# Altium PCB waffling80-MX-north.PcbDoc (part 1 of 3) (continued)
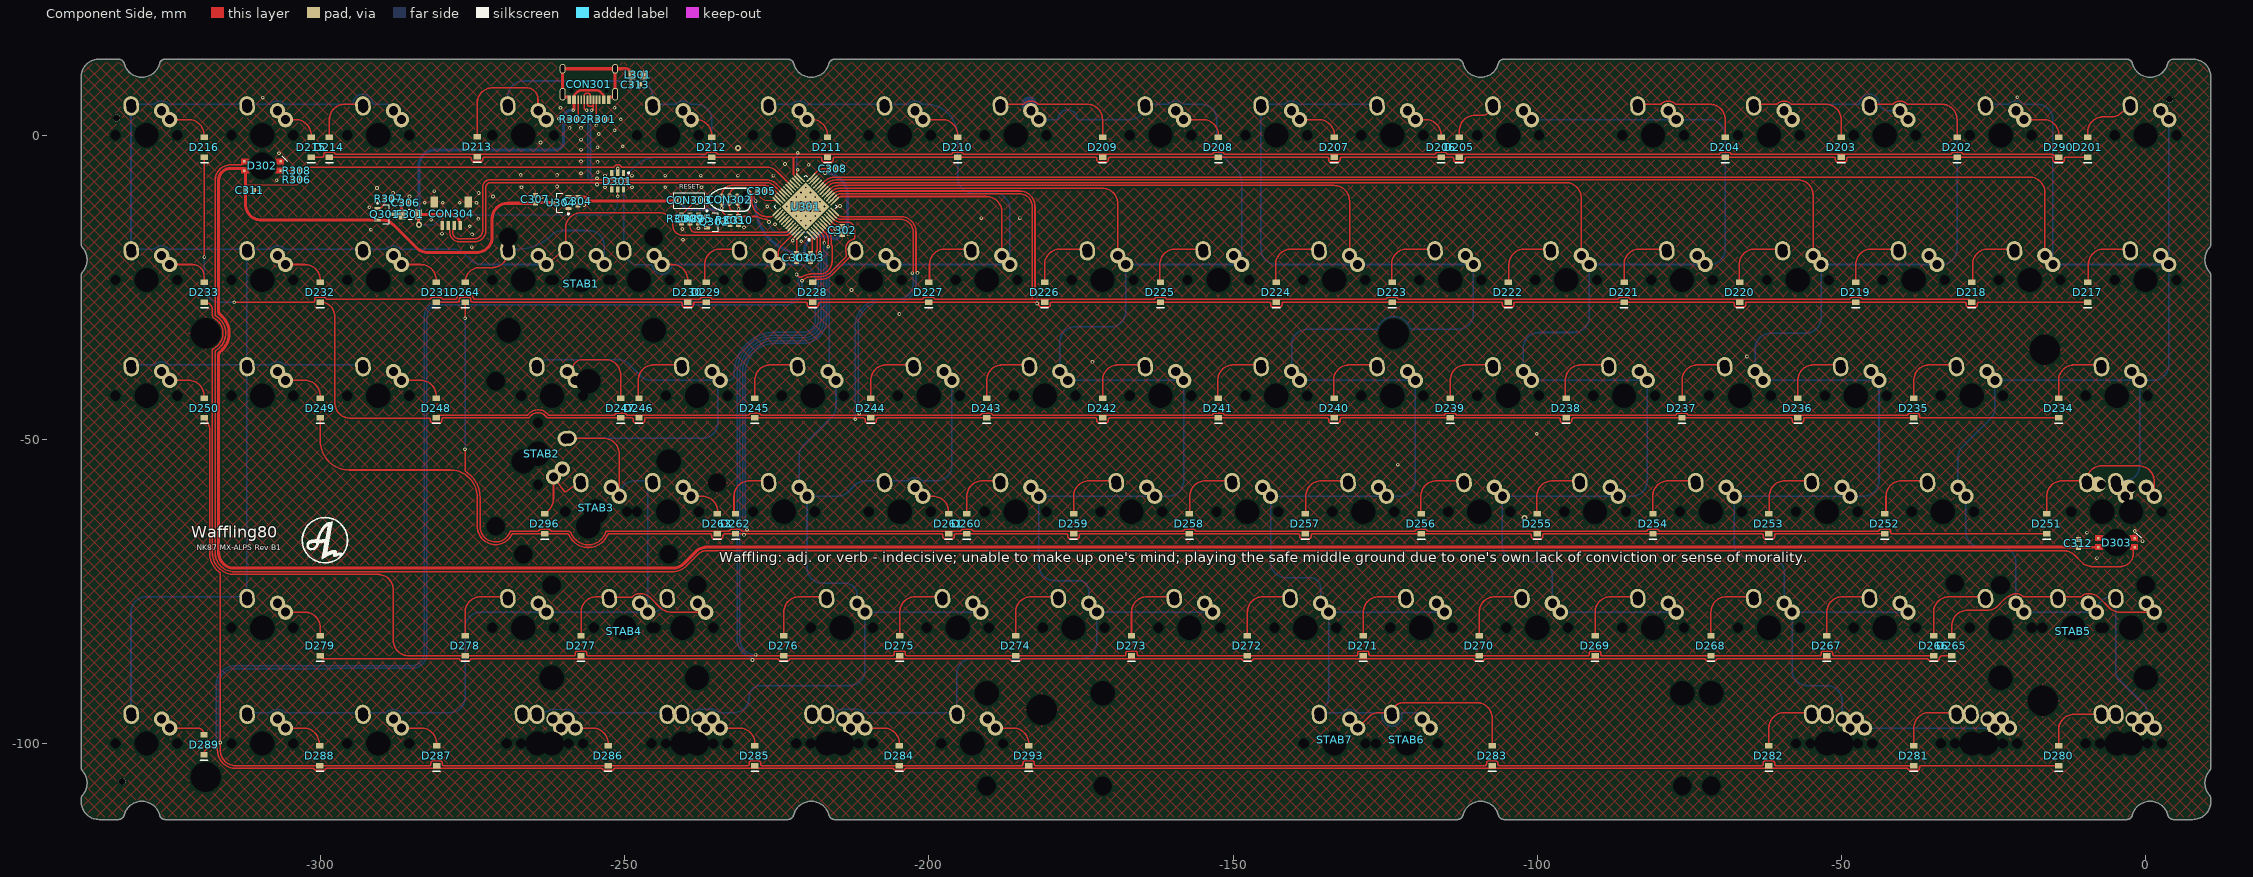
[diagram p0: Component Side view]
## Components (designator, comment, footprint, x,y, rotation, side; value= is the part's Value field where it differs from the comment) (continued)
S258 "MX" "MX_ALPS-switch switched pol" -147.637,-61.912 r180 bottom locked
S259 "MX" "MX_ALPS-switch switched pol" -166.688,-61.912 r180 bottom locked
S260 "MX" "MX_ALPS-switch switched pol" -185.737,-61.912 r180 bottom locked
S261 "MX" MX_ALPS-switch -204.787,-61.912 r180 bottom locked
S262 "MX" "MX_ALPS-switch switched pol" -223.837,-61.912 r180 bottom locked
S263 "MX" MX_ALPS-switch -242.887,-61.912 r180 bottom locked
S264 "MX" "MX_ALPS-switch switched pol" -257.175,-23.812 r180 bottom locked
S264_1 "MX" MX_ALPS-switch -266.7,-23.812 r180 bottom locked
S265 "MX" "MX_ALPS-switch switched pol" -11.906,-80.962 r180 bottom locked
S265_1 "MX" MX_ALPS-switch -2.381,-80.962 r180 bottom locked
S266 "MX" "MX_ALPS-switch switched pol" -23.81,-80.962 r180 bottom locked
S267 "MX" "MX_ALPS-switch switched pol" -42.862,-80.962 r180 bottom locked
S268 "MX" "MX_ALPS-switch switched pol" -61.912,-80.962 r180 bottom locked
S269 "MX" "MX_ALPS-switch switched pol" -80.962,-80.962 r180 bottom locked
S270 "MX" "MX_ALPS-switch switched pol" -100.012,-80.962 r180 bottom locked
S271 "MX" "MX_ALPS-switch switched pol" -119.062,-80.962 r180 bottom locked
S272 "MX" "MX_ALPS-switch switched pol" -138.112,-80.962 r180 bottom locked
S273 "MX" "MX_ALPS-switch switched pol" -157.162,-80.962 r180 bottom locked
S274 "MX" "MX_ALPS-switch switched pol" -176.212,-80.962 r180 bottom locked
S275 "MX" "MX_ALPS-switch switched pol" -195.262,-80.962 r180 bottom locked
S276 "MX" "MX_ALPS-switch switched pol" -214.312,-80.962 r180 bottom locked
S277 "MX" "MX_ALPS-switch switched pol" -250.031,-80.962 r180 bottom locked
S277_1 "MX" MX_ALPS-switch -240.506,-80.962 r180 bottom locked
S278 "MX" "MX_ALPS-switch switched pol" -266.7,-80.962 r180 bottom locked
S279 "MX" MX_ALPS-switch -309.562,-80.962 r180 bottom locked
S280 "MX" "mx_alps- 1.5u MOD-L" -4.763,-100.012 r180 bottom locked
S281 "MX" "mx_alps - 1u MOD-L" -28.574,-100.012 r180 bottom locked
S282 "MX" "mx_alps- 1.5u MOD-L" -52.387,-100.012 r180 bottom locked
S283_1 "MX" MX_ALPS-switch -133.318,-100.012 r180 bottom locked
S283_2 "MX" "MX_ALPS-switch switched pol" -121.411,-100.012 r180 bottom locked
S284 "MX" "mx_alps - 1.5u MOD-R" -214.312,-100.012 r180 bottom locked
S285 "MX" "mx_alps - 1u MOD-R" -238.124,-100.012 r180 bottom locked
S286 "MX" "mx_alps - 1.5u MOD-R" -261.937,-100.012 r180 bottom locked
S287 "MX" MX_ALPS-switch -290.512,-100.012 r180 bottom locked
S288 "MX" MX_ALPS-switch -309.562,-100.012 r180 bottom locked
S289 "MX" MX_ALPS-switch -328.612,-100.012 r180 bottom locked
S290 "MX" MX_ALPS-switch -23.812,0 r180 bottom locked
S293 "MX" MX_ALPS-switch -192.881,-100.012 r180 bottom locked
S296 "MX" "MX_ALPS-switch switched pol" -254.711,-61.912 r180 bottom locked
S296_1 "MX" mx_alps-switch -264.241,-52.382 r90 bottom locked
STAB1 "Plug" "Stab 2u" -257.175,-23.812 r0 top locked
STAB2 "Plug" "Stab 2u" -264.241,-52.382 r90 top locked
STAB3 "Plug" "Stab 2u" -254.711,-61.912 r180 top locked
STAB4 "Plug" "Stab 2u" -250.031,-80.962 r0 top locked
STAB5 "Plug" "Stab 2u" -11.906,-80.962 r0 top locked
STAB6 "Plug" "Stab 6.25U" -121.411,-100.012 r180 top locked
STAB7 "Plug" "Stab 7U" -133.318,-100.012 r180 top locked
U301 "STM32F072/F303_LQFP48" "STM32 - COMBO 7X7MM" -220.244,-11.75 r135 top
U304 "XC6206P332MR" SOT-23-3 -260.468,-11.112 r180 top

## Footprints (in the part's own frame and the unit in brackets; to place one, negate y for a bottom-side part, rotate by r counter-clockwise, add the part's x,y. Pads: shape width x height; smd on the part's side, far side on the other; paste and mask are expansions set on the pad)
"ALPS-switch - 1.5U" [mm]
  round 2.54 hole 1.5 copper offset 0.54,0 mask+0.102: 1(-2.5,4) 2(2.5,4.5)
  round 1 on Mech14: ""(0,0)
C0603[1608] [mm] "Chip Resistor, 2-Leads, Body 1,57x0,80mm, IPC Medium Density"
  rect 0.8x0.85 smd: 1(-0.65,0) 2(0.65,0)
  body extent -0.83,-0.43 0.82,0.43, height 0.5
C1206[3216] [mm]
  rect 1.2x1.8 smd: 1(-1.35,0) 2(1.35,0)
  silkscreen extent -0.35,-0.8 0.35,0.8, body extent -1.6,-0.9 1.6,0.9, height 1.2
HDR1X2 [mm] "Connector; Header; 2 Position"
  round 1.5 hole 0.9 mask+0.102: 1(0,0) 2(2.54,0)
  silkscreen extent -1.27,-1.27 3.81,1.27
"JST SM04B-SRSS-TB" [mm]
  rect 0.6x1.55 smd: 1(-1.5,3.875) 2(-0.5,3.875) 3(0.5,3.875) 4(1.5,3.875)
  rect 1.2x1.8 smd: 5(-2.8,0) 5(2.8,0)
  body extent -3.01,-0.76 2.99,4.19, height 3.25
L0805 [mm] "based on Sunlord-GZ2012D101TF_C1015 datasheet"
  rect 1.16x1.47 smd: 1(-0.92,0) 2(0.92,0)
  body extent -1.15,-0.72 1.15,0.72, height 1.02
"mx_alps - 1.5U" [mm]
  round 2.54 hole 1.5 mask+0.102: 1(-3.81,2.54) 1(-2.5,4)
  oval 3.2x2.54 hole 1.6 slot 2.2 at 85 deg rot 85 mask+0.102: 2(2.5,4.79)
  round 1 hole 1.7 unplated: ""(-5.08,0) ""(5.08,0)
  round 1 hole 4 unplated: ""(0,0)
  round 1 on Mech14: ""(0,0)
"mx_alps - 1.5u MOD-R" [mm]
  round 2.54 hole 1.5 mask+0.102: 1(-3.81,2.54) 1(-2.5,4) 1(-1.429,2.54)
  round 2.54 hole 1.5 copper offset -0.2,0 mask+0.102: 1(-0.119,4)
  oval 3.2x2.54 hole 1.6 slot 2.2 at 85 deg rot 85 mask+0.102: 2(2.5,4.79) 2(4.881,4.79)
  round 1 hole 1.7 unplated: ""(-5.08,0) ""(-2.699,0) ""(5.08,0) ""(7.461,0)
  round 1 on Mech14: ""(-2.381,0) ""(0,0) ""(2.381,0) ""(4.763,0)
  round 1 hole 4 unplated: ""(0,0) ""(0,0) ""(2.381,0) ""(2.381,0)
"mx_alps - 1u MOD-L" [mm]
  round 2.54 hole 1.5 mask+0.102: 1(-6.191,2.54) 1(-4.881,4) 1(-3.81,2.54)
  round 2.54 hole 1.5 copper offset -0.2,0 mask+0.102: 1(-2.5,4)
  oval 3.2x2.54 hole 1.6 slot 2.2 at 85 deg rot 85 mask+0.102: 2(0.119,4.79) 2(2.5,4.79)
  round 1 hole 1.7 unplated: ""(-7.461,0) ""(-5.08,0) ""(2.699,0) ""(5.08,0)
  round 1 hole 4 unplated: ""(-2.381,0) ""(0,0)
  round 1 on Mech14: ""(-2.381,0) ""(0,0) ""(2.381,0)
"mx_alps - 1u MOD-R" [mm]
  round 2.54 hole 1.5 mask+0.102: 1(-3.81,2.54) 1(-2.5,4) 1(-1.429,2.54)
  round 2.54 hole 1.5 copper offset -0.2,0 mask+0.102: 1(-0.119,4)
  oval 3.2x2.54 hole 1.6 slot 2.2 at 85 deg rot 85 mask+0.102: 2(2.5,4.79) 2(4.881,4.79)
  round 1 hole 1.7 unplated: ""(-5.08,0) ""(-2.699,0) ""(5.08,0) ""(7.461,0)
  round 1 on Mech14: ""(-4.763,0) ""(-2.381,0) ""(0,0) ""(2.381,0)
  round 1 hole 4 unplated: ""(0,0) ""(2.381,0)
"mx_alps - CAPS" [mm]
  round 2.54 hole 1.5 mask+0.102: 1(-8.572,2.54) 1(-7.263,4) 2(-3.81,2.54) 2(-2.5,4)
  oval 3.2x2.54 hole 1.6 slot 2.2 at 85 deg rot 85 mask+0.102: 1(2.5,4.79) 2(-2.262,4.79)
  round 1 hole 1.7 unplated: ""(-9.842,0) ""(5.08,0)
  round 1 hole 4 unplated: ""(-4.763,0) ""(0,0)
  round 1 on Mech14: ""(-4.763,0) ""(0,0)
"mx_alps- 1.5u MOD-L" [mm]
  round 2.54 hole 1.5 mask+0.102: 1(-6.191,2.54) 1(-4.881,4) 1(-3.81,2.54)
  round 2.54 hole 1.5 copper offset -0.2,0 mask+0.102: 1(-2.5,4)
  oval 3.2x2.54 hole 1.6 slot 2.2 at 85 deg rot 85 mask+0.102: 2(0.119,4.79) 2(2.5,4.79)
  round 1 hole 1.7 unplated: ""(-7.461,0) ""(-5.08,0) ""(2.699,0) ""(5.08,0)
  round 1 on Mech14: ""(-4.763,0) ""(-2.381,0) ""(0,0) ""(4.763,0)
  round 1 hole 4 unplated: ""(-2.381,0) ""(0,0)
MX_ALPS-switch [mm]
  round 2.54 hole 1.5 mask+0.102: 1(-3.81,2.54) 1(-2.5,4)
  oval 3.2x2.54 hole 1.6 slot 2.2 at 85 deg rot 85 mask+0.102: 2(2.5,4.79)
  round 1 hole 1.7 unplated: ""(-5.08,0) ""(5.08,0)
  round 1 hole 4 unplated: ""(0,0)
mx_alps-switch [mm]
  round 2.54 hole 1.5 mask+0.102: 1(-3.81,2.54) 1(-2.5,4)
  oval 3.2x2.54 hole 1.6 slot 2.2 at 85 deg rot 85 mask+0.102: 2(2.5,4.79)
  round 1 hole 1.7 unplated: ""(-5.08,0) ""(5.08,0)
  round 1 hole 4 unplated: ""(0,0)
"MX_ALPS-switch switched pol" [mm]
  oval 3.2x2.54 hole 1.6 slot 2.2 at 85 deg rot 85 mask+0.102: 1(2.5,4.79)
  round 2.54 hole 1.5 mask+0.102: 2(-3.81,2.54) 2(-2.5,4)
  round 1 hole 1.7 unplated: ""(-5.08,0) ""(5.08,0)
  round 1 hole 4 unplated: ""(0,0)
R0603[1608] [mm] "Chip Resistor, 2-Leads, Body 1,57x0,80mm, IPC Medium Density"
  rect 0.8x0.85 smd: 1(-0.65,0) 2(0.65,0)
  body extent -0.83,-0.43 0.82,0.43, height 0.5
"SK6812MINI-E - shaped" [mm]
  rect 0.4x0.4 smd: 1(3,0.75) 2(3,-0.75) 3(-3,-0.75) 4(-3,0.75)
  round 1 hole 4.4 unplated: ""(0,0)
  Component Side region: -3.5,0.304 -3.5,1.195 -2.157,1.195 -2.345,0.764 -2.447,0.304 -2.447,0.304 -2.449,0.304
  Component Side region: 2.447,0.304 2.345,0.764 2.157,1.195 2.157,1.195 3.5,1.195 3.5,0.304
  Component Side region: 2.157,-1.195 3.5,-1.195 3.5,-0.304 2.449,-0.304 2.447,-0.304 2.345,-0.764 2.157,-1.195
  Component Side region: -3.25,-1.195 -3.5,-0.945 -3.5,-0.304 -2.449,-0.304 -2.447,-0.304 -2.345,-0.764 -2.157,-1.195 -2.157,-1.195
  silkscreen extent -4.06,-1.65 -3.17,-0.76, body extent -2.94,-1.4 2.94,1.4, height 0.94
SOD-123 [mm]
  rect 0.91x1.22 smd: 1(1.635,0) 2(-1.635,0)
  silkscreen extent -2.54,-0.64 -2.54,0.63, body extent -1.87,-0.85 1.88,0.85, height 1.2
SOT-23-3 [mm] "3.3v regulator, used in Windsond S2 proto 1"
  rect 1x0.55 smd: 1(-1.2,0.95) 2(-1.2,-0.95) 3(1.2,0)
  silkscreen extent -1.32,-1.55 0.7,1.95, body extent -1.45,-1.5 1.1,1.5, height 1
SOT-23-6 [mm]
  rect 1x0.55 smd: 1(-1.375,0.95) 2(-1.375,0) 3(-1.375,-0.95) 4(1.375,-0.95) 5(1.375,0) 6(1.375,0.95)
  silkscreen extent -1.5,-1.55 0.46,1.93, body extent -1.37,-1.44 1.47,1.49, height 1.05
"Stab 2u" [mil]
  round 60 hole 157.01 unplated: ""(-470,-325) ""(470,-325)
  round 60 hole 120 unplated: ""(-470,275) ""(470,275)
  round 39.37 on Mech13: ""(0,0) ""(0,0)
"Stab 6.25U" [mil]
  round 60 hole 157.01 unplated: ""(-1968.5,-325) ""(1968.5,-325)
  round 60 hole 120 unplated: ""(-1968.5,275) ""(1968.5,275)
  round 39.37 on Mech13: ""(0,0)
"Stab 7U" [mil]
  round 60 hole 157.01 unplated: ""(-2250,-325) ""(2250,-325)
  round 60 hole 120 unplated: ""(-2250,275) ""(2250,275)
  round 39.37 on Mech13: ""(0,0)
"STM32 - COMBO 7X7MM" [mm] "LQFP48, 7x7mm"
  oval 1.45x0.3 smd paste-5: 1(-4.225,2.75) 2(-4.225,2.25) 3(-4.225,1.75) 4(-4.225,1.25) 5(-4.225,0.75) 6(-4.225,0.25) 7(-4.225,-0.25) 8(-4.225,-0.75) 9(-4.225,-1.25) 10(-4.225,-1.75) 11(-4.225,-2.25) 12(-4.225,-2.75) 25(4.225,-2.75) 26(4.225,-2.25) 27(4.225,-1.75) 28(4.225,-1.25) 29(4.225,-0.75) 30(4.225,-0.25) 31(4.225,0.25) 32(4.225,0.75) 33(4.225,1.25) 34(4.225,1.75) 35(4.225,2.25) 36(4.225,2.75)
  oval 0.8x0.25 smd: 1(-3.4,2.75) 2(-3.4,2.25) 3(-3.4,1.75) 4(-3.4,1.25) 5(-3.4,0.75) 6(-3.4,0.25) 7(-3.4,-0.25) 8(-3.4,-0.75) 9(-3.4,-1.25) 10(-3.4,-1.75) 11(-3.4,-2.25) 12(-3.4,-2.75) 25(3.4,-2.75) 26(3.4,-2.25) 27(3.4,-1.75) 28(3.4,-1.25) 29(3.4,-0.75) 30(3.4,-0.25) 31(3.4,0.25) 32(3.4,0.75) 33(3.4,1.25) 34(3.4,1.75) 35(3.4,2.25) 36(3.4,2.75)
  oval 0.25x0.8 smd: 13(-2.75,-3.4) 14(-2.25,-3.4) 15(-1.75,-3.4) 16(-1.25,-3.4) 17(-0.75,-3.4) 18(-0.25,-3.4) 19(0.25,-3.4) 20(0.75,-3.4) 21(1.25,-3.4) 22(1.75,-3.4) 23(2.25,-3.4) 24(2.75,-3.4) 37(2.75,3.4) 38(2.25,3.4) 39(1.75,3.4) 40(1.25,3.4) 41(0.75,3.4) 42(0.25,3.4) 43(-0.25,3.4) 44(-0.75,3.4) 45(-1.25,3.4) 46(-1.75,3.4) 47(-2.25,3.4) 48(-2.75,3.4)
  oval 0.3x1.45 smd paste-5: 13(-2.75,-4.225) 14(-2.25,-4.225) 15(-1.75,-4.225) 16(-1.25,-4.225) 17(-0.75,-4.225) 18(-0.25,-4.225) 19(0.25,-4.225) 20(0.75,-4.225) 21(1.25,-4.225) 22(1.75,-4.225) 23(2.25,-4.225) 24(2.75,-4.225) 37(2.75,4.225) 38(2.25,4.225) 39(1.75,4.225) 40(1.25,4.225) 41(0.75,4.225) 42(0.25,4.225) 43(-0.25,4.225) 44(-0.75,4.225) 45(-1.25,4.225) 46(-1.75,4.225) 47(-2.25,4.225) 48(-2.75,4.225)
  rect 5.6x5.6 smd: 47(0,0)
  silkscreen extent -4.42,-3.65 3.65,3.65, body extent -3.52,-3.52 3.52,3.52, height 0.5
TC2030-IDC-NL [mm] "Tag-Connect 6-Pin with No Legs (PN# TC2030-IDC-NL)"
  round 0.9 hole 0.995 unplated: 0(-2.54,0) 0(2.54,-1.016) 0(2.54,1.016)
  round 0.79 smd paste-0.39: 1(-1.27,-0.635) 2(-1.27,0.635) 3(0,-0.635) 4(0,0.635) 5(1.35,-0.635) 6(1.27,0.635)
  silkscreen extent -3.43,-1.91 3.43,1.9
TYPE-C-31-M-12 [mm]
  rect 0.6x1.45 smd: A1B12(-3.25,0) A4B9(-2.45,0) B1A12(3.25,0) B4A9(2.45,0)
  rect 0.3x1.45 smd: A5(-1.25,0) A6(-0.25,0) A7(0.25,0) A8(1.25,0) B5(1.75,0) B6(0.75,0) B7(-0.75,0) B8(-1.75,0)
  oval 1x2.1 / inner oval 1x2.1 / far side oval 1.3x2.4 hole 0.6 slot 1.7 at 90 deg: S1(-4.32,-0.915) S1(4.32,-0.915)
  oval 1x1.6 / inner oval 1x1.6 / far side oval 1.3x2 hole 0.6 slot 1.2 at 90 deg: S1(-4.32,-5.095) S1(4.32,-5.095)
  round 0 hole 0.65 unplated: ""(-2.89,-1.445) ""(2.89,-1.445)
  body extent -4.48,-7.72 4.46,0.18, height 3.21

## Part data
C301 C302 C303 C304 C305 C308 C311 C312 C313: library part Cap, "Capacitor", LCSC MFG=YAGEO, LCSC Part #=C14663, MRF.Part=CC0603KRX7R9BB104, Version="0603 imperial"
C306 C309: library part Cap, "Capacitor", LCSC MFG="Samsung Electro-Mechanics", LCSC Part #=C19666, MRF.Part=CL10A475KO8NNNC, Version="0603 imperial"
C307: library part Cap, "Capacitor", LCSC MFG="Samsung Electro-Mechanics", LCSC Part #=C15849, MRF.Part=CL10A105KB8NNNC, Version="0603 imperial"
C310: library part Cap, "Capacitor", LCSC MFG="Samsung Electro-Mechanics", LCSC Part #=C1623, MRF.Part=CL10B474KA8NNNC, Version="0603 imperial"
CON301: LCSC MFG="Korean Hroparts Elec", LCSC Part #=C165948, MRF.Part=TYPE-C-31-M-12
CON302: library part "Header 3X2", "Header, 3-Pin, Dual row"
CON303: "Header, 2-Pin"
CON304: "JST for USB daughter board", LCSC MFG="JST Sales America", LCSC Part #=C160404, MRF.Part=SM04B-SRSS-TB(LF)(SN)
D201 D202 D203 D204 D205 D206 D207 D208 D209 D210 D211 D212 D213 D214 D215 D216 D217 D218 D219 D220 D221 D222 D223 D224 D225 D226 D227 D228 D229 D230 D231 D232 D233 D234 D235 D236 D237 D238 D239 D240 D241 D242 D243 D244 D245 D246 D247 D248 D249 D250 D251 D252 D253 D254 D255 D256 D257 D258 D259 D260 D261 D262 D263 D264 D265 D266 D267 D268 D269 D270 D271 D272 D273 D274 D275 D276 D277 D278 D279 D280 D281 D282 D283 D284 D285 D286 D287 D288 D289 D290 D293 D296: "Default Diode", LCSC MFG=ST(Semtech), LCSC Part #=C81598, MRF.Part=1N4148W, Version=SOD-123
D301: LCSC MFG="ProTek Devices", LCSC Part #=C85364, MRF.Part=SRV05-4-P-T7
D302 D303: LCSC MFG=TONYU, LCSC Part #=C524051, MRF.Part=DY-S352818/RGBC/6812-2T
F301: "Thermal Fuse", LCSC MFG="Shenzhen JDT Fuse", LCSC Part #=C135338, MRF.Part=ASMD1206-050
L301: LCSC MFG=Sunlord, LCSC Part #=C1015, MRF.Part=GZ2012D101TF, Version="0806 imperial"
Q301: "P-Channel Power MOSFET", LCSC MFG="Vishay Intertech", LCSC Part #=C10487, MRF.Part=SI2301CDS-T1-GE3, Version=SOT23-3
Q302: library part MOSFET-N, "N-Channel MOSFET", LCSC MFG="Changjiang Electronics Tech (CJ)", LCSC Part #=C8545, MRF.Part=2N7002
R301 R302: "Resistor", LCSC MFG="Uniroyal Elec", LCSC Part #=C23186, MRF.Part=0603WAF5101T5E, Version="0603 imperial"
R303 R304 R306 R307: "Resistor", LCSC MFG="Uniroyal Elec", LCSC Part #=C25804, MRF.Part=0603WAF1002T5E, Version="0603 imperial"
R305: "Resistor", LCSC MFG="Uniroyal Elec", LCSC Part #=C25803, MRF.Part=0603WAF1003T5E, Version="0603 imperial"
R308: "Resistor", LCSC MFG="UNI-ROYAL(Uniroyal Elec)", LCSC Part #=C23179, MRF.Part=0603WAF4700T5E, Version="0603 imperial"
S201 S202 S203 S204 S205 S206 S207 S208 S209 S210 S211 S212 S213 S214 S215 S216 S217 S218 S219 S220 S221 S222 S223 S224 S225 S226 S227 S228 S229 S230 S231 S232 S233 S235 S236 S237 S238 S239 S240 S241 S242 S243 S244 S245 S246 S247 S248 S249 S250 S251 S252 S253 S254 S255 S256 S257 S258 S259 S260 S261 S262 S263 S264 S264_1 S265 S265_1 S266 S267 S268 S269 S270 S271 S272 S273 S274 S275 S276 S277 S277_1 S278 S279 S280 S281 S282 S283_1 S283_2 S284 S285 S286 S287 S288 S289 S290 S293 S296 S296_1: library part SW-PB, "Switch"
S234: library part SW-PB, "TAB"
U301: LCSC MFG=Geehy, LCSC Part #=C915660, MRF.Part=APM32F072CBT6
U304: library part "SOT23 LDO", LCSC MFG="Torex Semicon", LCSC Part #=C5446, MRF.Part=XC6206P332MR

## Free pads (board coordinates)
  round 1.152 hole 1.152 unplated paste+0.148 mask+0.148: ""(-333.496,2.787) ""(-332.613,-106.235) ""(3.938,5.906)
  round 1 hole 5 unplated: ""(-318.862,-105.512) ""(-318.862,-32.563) ""(-181.462,-94.463) ""(-123.55,-32.663) ""(-16.906,-92.962) ""(-16.55,-35.312)
  round 1 hole 3 unplated: ""(-234.838,-57.162) ""(-31.363,-73.712)

## Via types
v1: diameter 0.6, hole 0.3, Component Side to Bottom Layer, tented both sides, 125 vias
v2: diameter 0.6, hole 0.3, Component Side to Bottom Layer, tented bottom, 25 vias
v3: diameter 1, hole 0.5, Component Side to Bottom Layer, tented both sides, 3 vias

## Nets (pads, with @x,y where several pads share a name; then routed paths per layer and width w, separated by ;. In a path a pad name is that pad's centre, name@x,y a point inside that pad or via, vN(x,y) a via of type N, cw(c..) or ccw(c..) an arc to the next point about the centre after c; other vN are vias at no path point)
BOOT0: C309.1 CON303.1 R304.1 U301.44 | length 23.5
  Component Side w0.254: CON303.1@-238.124,-10.731 ccw(c-238.124,-11.074) -238.367,-10.831 R304.1@-240.664,-13.129 -239.433,-14.36 ccw(c-239.267,-14.195) C309.1@-239.267,-14.429 -239.267,-15.079 ccw(c-238.355,-15.079) -238.355,-15.992 -223.577,-15.992 ccw(c-223.577,-15.545) -223.262,-15.861 ; -223.261,-15.861 -223.13,-15.73 -223.13,-15.71 -222.701,-15.281 U301.44@-222.701,-15.268
col1: Designator73.1 S201.2 S217.2 S218.2 S234.2 S235.2 S251.2 S252.2 S265.2 S265_1.2 S266.2 S280.1 S290.2 U301.20 | length 446.2
  Component Side w0.254: U301.20@-217.786,-8.232 -217.199,-7.645 cw(c-215.403,-9.441) -215.403,-6.901 -19.09,-6.901 cw(c-19.09,-9.441) -16.55,-9.441 S218.2@-16.55,-19.812
  Bottom Layer w0.254: S252.2@-30.837,-57.912 -30.837,-53.022 cw(c-28.297,-53.022) -30.094,-51.226 -25.509,-46.641 ccw(c-27.305,-44.845) -24.765,-44.845 S235.2@-24.765,-40.322 S234.2@-0.953,-40.322 ; S252.2@-29.527,-59.372 -29.527,-65.202 ccw(c-26.987,-65.202) -26.987,-67.742 -23.812,-67.742 cw(c-23.812,-70.245) -21.31,-70.245 S266.2@-21.31,-76.962 ; S290.2@-26.352,5.08 -22.594,5.08 ccw(c-22.595,5.334) -22.42,5.151 cw(c-21.312,4) -20.204,5.15 ccw(c-20.029,5.334) -20.03,5.08 -17.78,5.08 cw(c-17.78,2.54) -15.24,2.54 S218.2@-15.24,-21.272 S217.2@3.81,-21.272 ; S266.2@-20,-78.422 S265.2@-8.096,-78.422 cw(c-5.556,-78.422) -5.556,-75.882 -4.921,-75.882 -4.921,-87.993 ccw(c-2.633,-87.993) -4.251,-89.61 -0.149,-93.712 cw(c-0.797,-94.36) 0.119,-94.36 S280.1@0.119,-96.012 ; S251.2@-3.334,-59.372 cw(c-3.334,-57.784) -4.921,-57.784 -4.921,-56.832 -3.492,-56.832 ccw(c-3.492,-54.292) -0.953,-54.292 S234.2@-0.953,-40.322 ; S280.1@-0.953,-97.472 S280.1@-0.953,-95.793 ; S201.2@3.81,2.54 S217.2@3.81,-21.272 ; S234.2@-0.953,-40.322 1.27,-40.322 ccw(c1.27,-37.782) 3.81,-37.782 S217.2@3.81,-21.272
col2: S202.2 S203.2 S219.2 S220.2 S236.2 S237.2 S253.2 S254.2 S267.2 S268.2 S281.1 S282.1 U301.19 | length 428.9
  Component Side w0.254: U301.19@-217.433,-8.586 -216.946,-8.099 cw(c-215.15,-9.895) -215.15,-7.355 -57.19,-7.355 cw(c-57.19,-9.895) -54.65,-9.895 S220.2@-54.65,-19.812
  Bottom Layer w0.254: S237.2@-64.175,-38.862 -64.175,-35.115 cw(c-61.635,-35.115) -61.635,-32.575 -55.88,-32.575 ccw(c-55.88,-30.035) -53.34,-30.035 S220.2@-53.34,-21.272 S219.2@-34.29,-21.272 -33.527,-21.272 ccw(c-33.527,-18.732) -30.987,-18.732 -30.987,2.541 ccw(c-33.527,2.541) -33.527,5.081 S202.2@-40.362,5.081 ; -62.865,-38.862 S237.2@-62.865,-40.322 S236.2@-43.815,-40.322 -43.815,-56.832 cw(c-46.355,-56.832) -46.355,-59.372 S253.2@-48.578,-59.372 S254.2@-67.627,-59.372 -67.627,-67.111 ccw(c-65.087,-67.111) -65.087,-69.651 -61.478,-69.651 cw(c-61.478,-71.717) -59.412,-71.717 S268.2@-59.412,-76.962 ; S203.2@-59.69,5.081 -47.228,5.081 ccw(c-47.229,5.335) -46.977,5.304 cw(c-45.391,5.119) -46.93,5.544 cw(c-45.391,5.119) -43.804,5.303 ; S282.1@-49.887,-96.012 -49.887,-93.027 ccw(c-52.427,-93.027) -52.427,-90.487 -55.562,-90.487 cw(c-55.562,-87.947) -58.102,-87.947 S268.2@-58.102,-78.422 S267.2@-39.052,-78.422 ; S282.1@-46.196,-97.472 S281.1@-24.764,-97.472 ; -43.908,5.712 cw(c-45.391,5.119) -43.804,5.303 ; S202.2@-40.362,4 -42.196,4 cw(c-42.196,5.712) -43.768,5.035 cw(c-43.534,5.132) -43.787,5.109 -43.8,5.258 ccw(c-45.391,5.119) -43.804,5.303
col3: S204.2 S205.2 S221.2 S222.2 S238.2 S239.2 S255.2 S256.2 S269.2 S270.2 U301.18 | length 342.8
  Component Side w0.254: U301.18@-217.079,-8.939 -216.514,-8.374 cw(c-215.149,-9.739) -215.149,-7.809 -95.29,-7.809 cw(c-95.29,-10.349) -92.75,-10.349 S222.2@-92.75,-19.812
  Bottom Layer w0.254: S239.2@-102.275,-38.862 -102.275,-34.988 cw(c-99.735,-34.988) -99.735,-32.448 -93.98,-32.448 ccw(c-93.98,-29.908) -91.44,-29.908 S222.2@-91.44,-21.272 S221.2@-72.39,-21.272 -71.627,-21.272 ccw(c-71.627,-18.732) -69.087,-18.732 -69.087,0 ccw(c-71.627,0) -71.627,2.54 S204.2@-77.152,2.54 S205.2@-100.965,2.54 ; -100.965,-38.862 S239.2@-100.965,-40.322 S238.2@-81.915,-40.322 -81.915,-56.832 cw(c-84.455,-56.832) -84.455,-59.372 S255.2@-86.677,-59.372 S256.2@-105.727,-59.372 -105.727,-67.565 ccw(c-103.188,-67.565) -103.188,-70.105 -99.774,-70.105 cw(c-99.774,-72.367) -97.512,-72.367 S270.2@-97.512,-76.962 ; S270.2@-96.202,-78.422 S269.2@-77.152,-78.422
col4: S206.2 S207.2 S223.2 S224.2 S240.2 S241.2 S257.2 S258.2 S271.2 S272.2 S283_1.2 S283_2.2 U301.17 | length 365.5
  Component Side w0.254: U301.17@-216.726,-9.293 -216.405,-8.973 cw(c-214.732,-10.648) -215.553,-8.427 ccw(c-215.642,-8.189) -215.55,-8.426 cw(c-214.784,-10.365) -214.784,-8.28 -133.39,-8.28 cw(c-133.39,-10.82) -130.85,-10.82 S224.2@-130.85,-19.812
  Bottom Layer w0.254: S241.2@-140.375,-38.862 -140.375,-34.48 cw(c-137.835,-34.48) -137.835,-31.94 -126.471,-31.94 ccw(c-126.472,-31.686) -126.232,-31.767 cw(c-123.55,-32.663) -120.868,-31.768 ccw(c-120.628,-31.686) -120.629,-31.94 -113.03,-31.94 ccw(c-113.03,-29.4) -110.49,-29.4 S223.2@-110.49,-21.272 S224.2@-129.54,-21.272 -142.875,-21.272 cw(c-142.875,-18.732) -145.415,-18.732 -145.415,5.08 -141.657,5.08 ccw(c-141.658,5.334) -141.483,5.151 cw(c-140.375,4) -139.267,5.15 ccw(c-139.092,5.334) -139.093,5.08 S206.2@-126.365,5.08 ; -139.065,-38.862 S241.2@-139.065,-40.322 S240.2@-120.015,-40.322 -120.015,-56.832 cw(c-122.555,-56.832) -122.555,-59.372 S257.2@-124.777,-59.372 S258.2@-143.827,-59.372 -143.827,-70.229 ccw(c-141.287,-70.229) -141.287,-72.769 -137.223,-72.769 cw(c-137.223,-74.38) -135.612,-74.38 S272.2@-135.612,-76.962 ; S283_2.2@-119.213,-94.932 -122.119,-94.932 ccw(c-122.057,-95.178) -122.31,-95.199 -122.292,-95.41 cw(c-123.883,-95.551) -122.323,-95.894 cw(c-123.883,-95.551) -125.474,-95.689 -125.509,-95.284 -125.52,-95.164 ccw(c-125.773,-95.186) -125.773,-94.932 -129.536,-94.932 cw(c-129.535,-94.678) -129.71,-94.862 ccw(c-130.818,-96.012) -131.925,-94.861 cw(c-132.101,-94.678) -132.1,-94.932 -135.889,-94.932 -135.046,-94.089 ccw(c-136.842,-92.293) -134.302,-92.293 S272.2@-134.302,-78.422 S271.2@-115.252,-78.422
col5: S208.2 S209.2 S225.2 S226.2 S242.2 S243.2 S259.2 S260.2 S273.2 S274.2 S284.2 S293.2 U301.16 | length 327.9
  Component Side w0.254: U301.16@-216.372,-9.647 U301.16@-215.937,-9.212 ; U301.16@-215.936,-9.211 cw(c-214.784,-10.365) -214.784,-8.734 -171.45,-8.734 cw(c-171.45,-11.234) -168.95,-11.234 S226.2@-168.95,-19.812
  Bottom Layer w0.254: S284.2@-219.233,-94.932 S284.2@-219.193,-94.932 ; S284.2@-216.812,-95.222 cw(c-216.522,-95.222) -216.522,-94.932 -215.475,-94.932 ccw(c-215.476,-94.678) -215.301,-94.862 cw(c-214.193,-96.012) -214.197,-94.415 -211.757,-94.415 ; -211.757,-94.416 cw(c-211.812,-96.012) -210.704,-94.862 ccw(c-210.529,-94.678) -210.53,-94.932 -195.421,-94.932 -195.421,-88.591 cw(c-192.881,-88.591) -192.881,-86.051 -174.942,-86.051 ccw(c-174.942,-83.511) -172.402,-83.511 S274.2@-172.402,-78.422 S273.2@-153.352,-78.422 ; S209.2@-181.928,2.54 -178.997,2.54 ccw(c-178.999,2.794) -178.747,2.758 cw(c-177.165,2.541) -176.225,3.832 ; -178.747,2.758 cw(c-177.165,2.541) -178.352,3.609 ; S243.2@-178.475,-38.862 -178.475,-34.061 cw(c-175.935,-34.061) -175.935,-31.521 -169.792,-31.521 ccw(c-170.18,-29.011) -167.64,-29.011 S226.2@-167.64,-21.272 S225.2@-148.59,-21.272 -148.59,-7.608 ccw(c-151.13,-7.608) -149.334,-5.812 -151.937,-3.209 cw(c-150.141,-1.413) -152.681,-1.413 -152.681,2.54 ccw(c-155.221,2.54) -155.221,5.08 -158.143,5.08 cw(c-158.142,5.334) -158.317,5.15 ccw(c-159.425,4) -160.533,5.151 cw(c-160.708,5.334) -160.707,5.08 -164.465,5.08 cw(c-167.005,5.08) -167.005,2.54 -175.333,2.54 cw(c-175.331,2.794) -175.583,2.758 ccw(c-177.165,2.541) -176.278,3.869 ; -177.165,-38.862 S243.2@-177.165,-40.322 S242.2@-158.115,-40.322 -158.115,-56.832 cw(c-160.655,-56.832) -160.655,-59.372 S259.2@-162.877,-59.372 S260.2@-181.927,-59.372 -181.927,-70.683 ccw(c-179.387,-70.683) -179.387,-73.223 -175.44,-73.223 cw(c-175.44,-74.951) -173.712,-74.951 S274.2@-173.712,-76.962
col6: S210.2 S211.2 S227.2 S228.2 S244.2 S245.2 S261.2 S262.2 S275.2 S276.2 S285.2 S286.2 U301.13 | length 315.1
  Component Side w0.254: U301.13@-215.311,-10.707 -214.862,-10.258 cw(c-214.471,-10.648) -214.471,-10.096 -190.54,-10.096 cw(c-190.54,-12.636) -188,-12.636 S227.2@-188,-19.812
  Bottom Layer w0.254: S286.2@-266.858,-94.932 S286.2@-266.818,-94.932 ; S286.2@-264.437,-95.222 -263.511,-94.932 -262.693,-94.676 -262.139,-94.502 ccw(c-262.216,-94.26) -262.135,-94.501 cw(c-261.618,-96.012) -261.663,-94.416 cw(c-261.618,-96.012) -261.574,-94.416 cw(c-261.618,-96.012) -261.542,-94.417 ccw(c-261.53,-94.163) -261.533,-94.417 -259.633,-94.425 ccw(c-259.634,-94.171) -259.608,-94.424 cw(c-259.437,-96.012) -259.394,-94.416 cw(c-259.437,-96.012) -259.265,-94.424 cw(c-259.437,-96.012) -258.329,-94.862 ccw(c-258.154,-94.678) -258.155,-94.932 S285.2@-243.006,-94.932 ; S285.2@-240.624,-95.222 -239.699,-94.932 -238.879,-94.675 -238.291,-94.491 cw(c-237.806,-96.012) -237.853,-94.416 cw(c-237.806,-96.012) -237.762,-94.416 ccw(c-237.757,-94.162) -237.758,-94.416 -236.873,-94.416 -235.677,-94.416 ccw(c-235.678,-94.162) -235.672,-94.416 cw(c-235.624,-96.012) -234.571,-94.812 ; -234.571,-94.812 ccw(c-234.405,-94.62) -234.542,-94.833 ccw(c-234.204,-94.304) -234.204,-94.932 -232.091,-94.932 ccw(c-232.091,-92.392) -229.551,-92.392 cw(c-227.646,-92.392) -227.646,-90.487 -213.042,-90.487 ccw(c-213.042,-87.947) -210.502,-87.947 S276.2@-210.502,-78.422 S275.2@-191.452,-78.422 ; S211.2@-226.378,5.08 -222.62,5.08 ccw(c-222.621,5.334) -222.446,5.151 cw(c-221.338,4) -220.23,5.15 ccw(c-220.055,5.334) -220.056,5.08 -203.57,5.08 ccw(c-203.571,5.334) -203.396,5.151 cw(c-202.288,4) -201.18,5.15 ccw(c-201.005,5.334) -201.006,5.08 -200.563,5.08 cw(c-200.563,-0.22) -195.263,-0.22 -195.263,-6.985 ccw(c-192.723,-6.985) -192.723,-9.525 -189.23,-9.525 cw(c-189.23,-12.065) -186.69,-12.065 S227.2@-186.69,-21.272 S228.2@-205.74,-21.272 -213.83,-21.272 ccw(c-213.83,-23.812) -216.37,-23.812 -216.37,-38.165 ccw(c-213.83,-38.165) -215.626,-39.961 S245.2@-215.265,-40.322 -215.265,-44.604 cw(c-217.805,-44.604) -216.009,-46.4 -220.594,-50.985 ccw(c-218.797,-52.781) -221.337,-52.781 S262.2@-221.337,-57.912 ; S276.2@-211.812,-76.962 -211.812,-75.554 ccw(c-213.69,-75.554) -213.69,-73.677 -217.487,-73.677 cw(c-217.487,-71.137) -220.028,-71.137 S262.2@-220.028,-59.372 -215.047,-59.372 ccw(c-215.047,-56.832) -213.251,-58.628 -212.198,-57.576 cw(c-210.402,-59.372) -210.402,-56.832 -203.539,-56.832 ccw(c-203.573,-56.58) -203.397,-56.764 cw(c-202.287,-57.912) -201.18,-56.762 ccw(c-201.004,-56.578) -201.005,-56.832 -198.755,-56.832 ccw(c-198.755,-54.292) -196.215,-54.292 S244.2@-196.215,-40.322